# Altium PCB PicoPrint - Copy.PcbDoc (part 1 of 4) (continued)
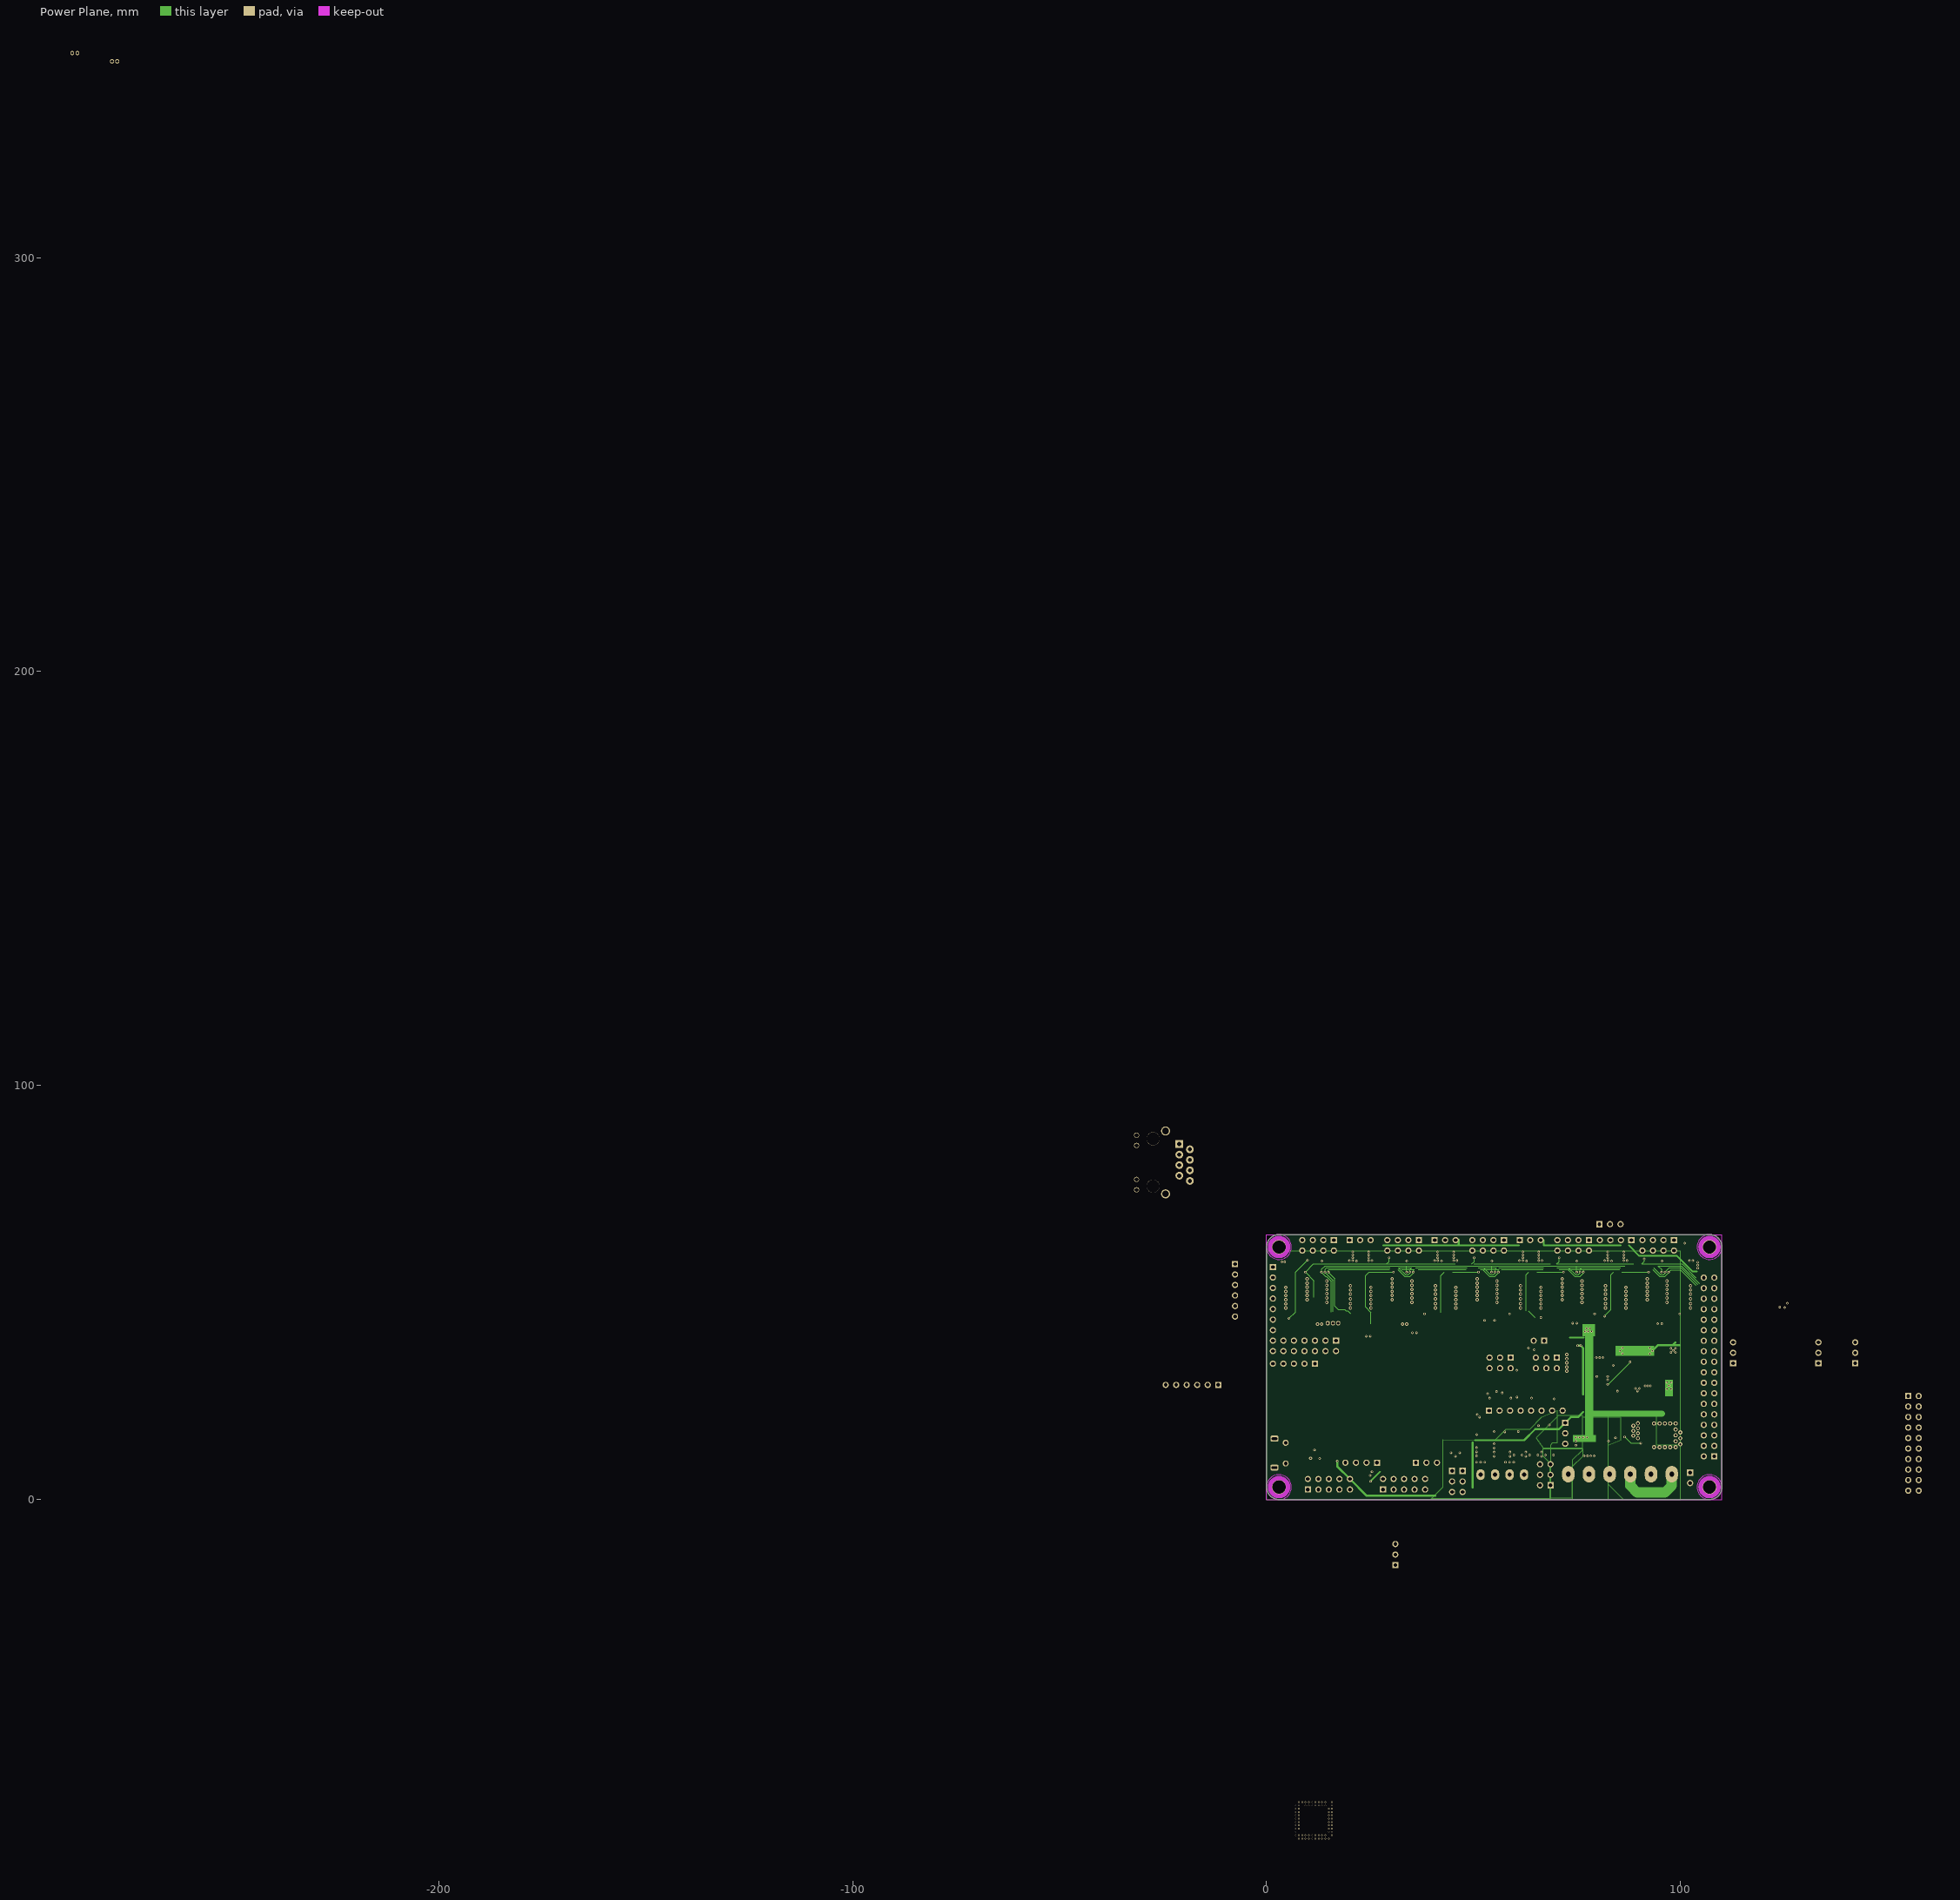
[diagram p3: Power Plane]

## Layer stack, top to bottom
Top Solder: solder mask 0.0102, Solder Resist, Dk 3.5
Component Side: signal copper 0.0356
Dielectric 1: core 0.32, FR-4, Dk 4.8
Ground Plane: signal copper 0.036
Dielectric 3: prepreg 0.127, Dk 4.2
Power Plane: signal copper 0.036
Dielectric 4: core 0.254, Dk 4.2
Solder Side: signal copper 0.0356
Bottom Solder: solder mask 0.0102, Solder Resist, Dk 3.5

## Board outline
0,3 0,61 cw(c3,61) 3,64 107,64 cw(c107,61) 110,61 110,3 cw(c107,3) 107,0 3,0 cw(c3,3)

## Design rules (kind name [scope] priority, off if disabled: settings)
Clearance [All] p1: gap=0.1
DiffPairsRouting [All] p1: maxlimit=0.5 minlimit=0.2 mostfreqgap=0.2 toplayer_minwidth=0.2 toplayer_maxwidth=0.5 toplayer_prefwidth=0.2 midlayer1_minwidth=0.2 midlayer1_maxwidth=0.5 midlayer1_prefwidth=0.2 midlayer2_minwidth=0.2 midlayer2_maxwidth=0.5 midlayer2_prefwidth=0.2 bottomlayer_minwidth=0.2 bottomlayer_maxwidth=0.5 bottomlayer_prefwidth=0.2 maxuncoupledlength=12.7
HoleSize [All] p1: absolutevalues=TRUE maxlimit=4 minlimit=0.025 maxpercent=80.000 minpercent=20.000
MatchedLengths [(InNet('USB_D_N') OR InNet('USB_D_P'))] p1: tolerance=0.75 checknetsindiffpair=TRUE checkdiffpairvsdiffpair=FALSE checkxsignals=FALSE checkothers=FALSE
MinimumSolderMaskSliver [All] p1: minsoldermaskwidth=0.2
PolygonConnect PolygonConnect_1 [HasFootprint('Res 3216-1206') Or  HasFootprint('TQFP80P1200X1200X160-44N') Or InNet('NetC20_1') Or HasFootprint('LFPACK') Or HasFootprint('HDR2X4-HEADER')] p1: connectstyle=Direct reliefconductorwidth=0.254 reliefentries=4 polygonreliefangle="90 Angle" airgapwidth=0.254
PolygonConnect PolygonConnect_2 [IsVia] p2: connectstyle=Direct reliefconductorwidth=0.254 reliefentries=4 polygonreliefangle="90 Angle" airgapwidth=0.254
PolygonConnect PolygonConnect_3 [HasFootprint('TERM2 5MM') Or HasFootprint('TERM2 3.5MM')] p3: connectstyle=Relief reliefconductorwidth=1 reliefentries=4 polygonreliefangle="90 Angle" airgapwidth=0.25
PolygonConnect [All] p4: connectstyle=Relief reliefconductorwidth=0.25 reliefentries=4 polygonreliefangle="90 Angle" airgapwidth=0.25
RoutingVias [All] p1: holewidth=0.2 width=0.4 viastyle="Through Hole" minholewidth=0.2 minwidth=0.4 maxholewidth=0.5 maxwidth=1
SilkToSilkClearance [All] p1: silktosilkclearance=0.2
SilkToSolderMaskClearance [IsPad] p1: minsilkscreentomaskgap=0.15 clearancetoexposedcopper=TRUE
SolderMaskExpansion [All] p1: expansion=0.102
Width [All] p1: maxlimit=3 minlimit=0.1 preferedwidth=0.1 minimp=50.000000 maximp=50.000000 favimp=50.000000
25 further rules are at their usual default settings.

## Classes and differential pairs
component class PicoPrint-Main: A1 BOOT1 C1 C2 C3 C4 C5 C6 C7 C8 C9 C10 C11 C12 C13 C14 C15 C16 C17 C18 C19 C20 C21 C22 C23 C24 C25 C26 C62 D1 D2 D3 D4 E-STOP ESP_PROG EXP1 EXP2 F1 F2 FAN_VDD_SEL1 FANS HB-OUT1 HB-PWR1 HE0 HE1 I2C IC2 J1 J2 J5 J6 J9 J? L1 L2 LD1 LD2 LD3 LD4 LD5 LD6 LD7 LD8 LD9 LD10 MAIN-PWR1 MH1 MH2 MH3 MH4 OSH_LOGO1 PROBE PS_ON PWR_AUX Q1 Q2 Q3 Q4 Q5 Q6 Q7 R2 R3 R5 R6 R10 R11 R12 R13 R14 R15 R16 R17 R21 R22 R23 R24 R25 R26 R27 R28 R29 R30 R31 R32 R33 R34 R35 R36 R37 R38 R41 R42 R43 R44 R45 R46 R49 R50 R51 R52 R53 R54 R55 R56 R57 R58 R59 R60 R61 R62 R63 R64 R65 S1 SD_BREAKOUT SWD THERM_HEADER U1 U2 U3 U4 U5 X-STOP XT1 Y-STOP Z-STOP
component class PicoPrint-Motors: C27 C28 C29 C30 C31 C32 C33 C34 C35 C36 C37 C38 C39 C40 C41 C42 C43 C44 C45 C46 C47 C48 C49 C50 C51 C52 C53 C54 C55 C56 C57 C58 C59 C60 E0-AUX E0-MOTOR E1-AUX E1-MOTOR R66 R67 R68 R69 R70 R71 R72 R73 R74 R75 R76 R77 R78 R79 R80 R81 R82 R83 R84 R85 U6 U7 U8 U9 U10 X-MOTOR Y-AUX Y-MOTOR Z-AUX Z-MOTOR
differential pair USB_D: +USB_D_P -USB_D_N
differential pair USB: +USB_P -USB_N

## Components (designator, comment, footprint, x,y, rotation, side; value= is the part's Value field where it differs from the comment)
A1 "ESP8266 ESP-12-E" "ESP8266 ESP-12-E-SMD" 1.549,87.554 r270 top
BOOT1 "Header 2" HDR1X2-HEADER 67.054,38.357 r180 top
C1 "CapC-0402-4.7uF-10V" "CAP 1005-0402" 20.32,24.13 r270 top
C2 "CapC-0402-4.7uF-10V" "CAP 1005-0402" 17.272,16.002 r90 top
C3 "CapC-0402-4.7uF-10V" "CAP 1005-0402" 25.558,40.026 r0 top
C4 "CapC-0805-10uF 6.3V" CAPC2012X135N 12.192,14.986 r180 top
C5 "CapC-0402-100nF" "CAP 1005-0402" 61.1,31.838 r90 top
C6 "CapC-0402-100nF" "CAP 1005-0402" 8.5,14.5 r0 top
C7 "CapC-0402-4.7uF-10V" "CAP 1005-0402" 50.6,26.2 r90 top
C8 "CapC-0402-100nF" "CAP 1005-0402" 49.6,27 r90 top
C9 "CapC-0402-4.7uF-10V" "CAP 1005-0402" 35.74,40.87 r180 top
C10 "CapC-0402-100nF" "CAP 1005-0402" 35.74,39.72 r180 top
C11 "CapC-0402-100nF" "CAP 1005-0402" 111.899,26.3 r90 top
C12 "CapC-0402-100nF" "CAP 1005-0402" 18.542,16.002 r270 top
C13 "CapC-0402-100nF" "CAP 1005-0402" 24.558,38.864 r180 top
C14 "CapC-0402-100nF" "CAP 1005-0402" 48.21,19.82 r90 top
C15 "CapC-0402-4.7uF-10V" "CAP 1005-0402" 56.974,24.003 r90 top
C16 "CapC-0402-4.7uF-10V" "CAP 1005-0402" 61.991,24.003 r90 top
C17 "CapC-0603-1uF 50V" "Cap 1608-0603" 88.9,12.5 r0 top
C18 "CapC-0402-4.7uF-10V" "CAP 1005-0402" 67.071,24.003 r90 top
C19 "CapC-0402-4.7uF-10V" "CAP 1005-0402" 72.214,24.003 r90 top
C20 "CapC-0402-100nF" "CAP 1005-0402" 82.4,26.364 r270 top
C21 "CapE-6.3-100uF-35V" "CAP EL PANASONIC" 96.281,36.345 r180 top
C22 "CapC-1210-4.7uF-50V" "CAP 3225-1210" 92.082,27.455 r90 top
C23 "CapC-0805-4.7uF 10V" CAPC2012X135N 84.636,34.376 r90 top
C24 "CapC-0805-4.7uF 10V" CAPC2012X135N 82.837,34.376 r90 top
C25 "CapC-0402-4.7uF-10V" "CAP 1005-0402" 80.3,29.114 r180 top
C26 "CapE-5.0-100uF-6.3V" "CAP EL 5mm" 83,39 r90 top
C27 "CapC-0402-100nF" "CAP 1005-0402" 12.827,43.243 r0 top
C28 "CapC-0402-100nF" "CAP 1005-0402" 33.369,43.243 r0 top
C29 "CapC-0402-100nF" "CAP 1005-0402" 53.911,43.243 r0 top
C30 "CapC-0603-1uF 50V" "Cap 1608-0603" 10.1,42 r180 top
C31 "CapE-6.3-100uF-35V" "CAP EL PANASONIC" 22.717,51.851 r180 top
C32 "CapC-0603-1uF 50V" "Cap 1608-0603" 30.7,42 r180 top
C33 "CapE-6.3-100uF-35V" "CAP EL PANASONIC" 43.259,51.851 r180 top
C34 "CapC-0603-1uF 50V" "Cap 1608-0603" 51.2,42 r180 top
C35 "CapC-0402-100nF-50V" "CAP 1005-0402" 9.652,43.243 r0 top
C36 "CapC-0402-100nF-50V" "CAP 1005-0402" 30.194,43.243 r0 top
C37 "CapC-0402-100nF-50V" "CAP 1005-0402" 50.736,43.243 r0 top
C38 "CapC-0402-470nF" "CAP 1005-0402" 15.113,57.911 r0 top
C39 "CapC-0402-470nF" "CAP 1005-0402" 35.655,57.911 r0 top
C40 "CapC-0402-470nF" "CAP 1005-0402" 56.197,57.911 r0 top
C41 "CapC-0402-100nF" "CAP 1005-0402" 19.367,59.181 r180 top
C42 "CapC-0402-100nF" "CAP 1005-0402" 39.909,59.181 r180 top
C43 "CapC-0402-100nF" "CAP 1005-0402" 60.451,59.181 r180 top
C44 "CapC-0402-100nF" "CAP 1005-0402" 5.715,57.848 r0 top
C45 "CapC-0402-100nF" "CAP 1005-0402" 26.13,59.181 r0 top
C46 "CapC-0402-100nF" "CAP 1005-0402" 46.672,59.181 r0 top
C47 "CapC-0402-100nF" "CAP 1005-0402" 74.453,43.243 r0 top
C48 "CapC-0402-100nF" "CAP 1005-0402" 94.995,43.243 r0 top
C49 "CapC-0603-1uF 50V" "Cap 1608-0603" 71.8,42 r180 top
C50 "CapE-6.3-100uF-35V" "CAP EL PANASONIC" 63.801,51.851 r180 top
C51 "CapC-0603-1uF 50V" "Cap 1608-0603" 92.3,42 r180 top
C52 "CapE-6.3-100uF-35V" "CAP EL PANASONIC" 84,51.851 r180 top
C53 "CapC-0402-100nF-50V" "CAP 1005-0402" 71.278,43.243 r0 top
C54 "CapC-0402-100nF-50V" "CAP 1005-0402" 91.82,43.243 r0 top
C55 "CapC-0402-470nF" "CAP 1005-0402" 76.739,57.911 r0 top
C56 "CapC-0402-470nF" "CAP 1005-0402" 97.281,57.911 r0 top
C57 "CapC-0402-100nF" "CAP 1005-0402" 80.993,59.181 r180 top
C58 "CapC-0402-100nF" "CAP 1005-0402" 100.71,60.388 r270 top
C59 "CapC-0402-100nF" "CAP 1005-0402" 67.214,59.181 r0 top
C60 "CapC-0402-100nF" "CAP 1005-0402" 87.756,59.181 r0 top
C62 "CapC-0805-10uF 6.3V" CAPC2012X135N 45.6,12.2 r270 top
D1 "Diode Schottky 700mA 20V" SC-85 12.8,9.2 r270 top
D2 "Diode Schottky 2A 40V" DIOM2616X08N 95.201,27.328 r270 top
D3 "Diode Zener 10V" SOD523 80.5,13.1 r270 top
D4 "Diode Schottky 2A 40V" DIOM2616X08N 84.152,31.074 r180 top
Designator1 "Comment" STM-LQFP144_N 34.45,26.25 r0 top
Designator14 "Comment" STM-UFBGA176+25 7.7,-54.3 r90 top
Designator15 "Comment" STM-TFBGA216 11.4,-77.5 r90 top
Designator21 "Comment" HDR2X17-HEADER 108.153,10.41 r90 top
Designator23 "Comment" HEADER-1x2-50mil 15,40.8 r180 top
Designator25 "Comment" HEADER-1x2-50mil 24.6,38.8 r180 top
Designator28 "Comment" HEADER-1x3-50mil 16.03,42.6 r0 top
Designator29 "Comment" HDR1X3-HEADER 47.346,6.9 r270 top
Designator30 "Comment" HDR1X5-HEADER 11.684,32.79 r180 top
Designator30 "Comment" HDR1X3-HEADER 44.806,6.9 r270 top
Designator31 "Comment" HDR2X7 16.764,38.378 r180 top
Designator32 "Comment" HDR1X7-HEADER 1.524,56.158 r270 top
Designator33 "Comment" MAGJACK -38.532,89.027 r270 top
Designator34 "Comment" HDR1X3-HEADER 36.068,8.89 r0 top
Designator35 "Comment" HDR2X10-HEADER 155,25 r270 top
E0-AUX "Header 3" HDR1X3-HEADER 31.1,-15.84 r90 top
E0-MOTOR "Header 4X2" HDR2X4-HEADER 77.872,62.668 r180 top
E1-AUX "Header 3" HDR1X3-HEADER 112.699,32.9 r90 top
E1-MOTOR "Header 4X2" HDR2X4-HEADER 98.414,62.668 r180 top
E-STOP "Header 3" HDR1X3-HEADER 80.42,66.5 r0 top
ESP_PROG "Header 6" HDR1X6-HEADER -11.684,27.686 r180 top
EXP1 "Header 5X2" "HDR2X5_exp Iner only\" 5.969,0.108 r0 top locked
EXP2 "Header 5X2" "HDR2X5_exp Iner only\" 24.13,0.108 r0 top locked
F1 "PTC Resettable Fuse" "PTC Fuse1608-0603" 102.24,60.53 r90 top
F2 "PTC Resettable Fuse" "PTC Fuse1608-0603" 15.1,9.95 r270 top
FAN_VDD_SEL1 "Header 3" HDR1X3-HEADER 72.151,18.542 r270 top
FANS "FAN0" HDR2X3-Header 68.595,3.429 r90 top
HB-OUT1 "Screw Terminal 5mm 2-Way" "TERM2 5MM" 92.873,6.1 r0 top
HB-PWR1 "Screw Terminal 5mm 2-Way" "TERM2 5MM" 82.873,6.1 r0 top
HE0 "Screw Terminal 3.5mm 2-Way" "TERM2 3.5mm" 55.205,6 r180 top
HE1 "Screw Terminal 3.5mm 2-Way" "TERM2 3.5mm" 62.205,6 r180 top
I2C "Header 4" HDR1X4-HEADER 26.67,8.89 r180 top
J1 "Jumper" JUMPER-3-NO 24.2,4.418 r270 bottom
J2 "Jumper" JUMPER-3-NO-BIG 70.32,15.92 r270 bottom
J6 "Micro-USB B Socket" "Micro-USB B Molex 105017-0001" 4.6,11.2 r270 top
J9 "Jumper" JUMPER-3-NO 123.938,47.292 r0 bottom
L1 "Ferrite Bead SMD 0805" "Res 2012-0805" 8.3,8.8 r180 top
L2 "Inductor SMD 33uH 2.5A" "SRN6045TA SMD Inductor" 89.296,33.741 r180 top
LD1 "GREEN" "LED 1608-0603" 53.101,17.018 r0 top
LD2 "GREEN" "LED 1608-0603" 60.721,17.018 r0 top
LD3 "GREEN" "LED 1608-0603" 56.911,17.018 r0 top
LD4 "GREEN" "LED 1608-0603" 64.531,17.018 r0 top
LD5 "GREEN" "LED 1608-0603" 85.6,18.15 r0 top
LD6 "GREEN" "LED 1608-0603" 68.341,17.018 r0 top
LD7 "GREEN" "LED 1608-0603" 78.971,16.58 r0 top
LD8 "GREEN" "LED 1608-0603" 78.971,17.98 r0 top
LD9 "GREEN" "LED 1608-0603" 78.971,19.38 r0 top
LD10 "YELLOW" "LED 1608-0603" 47.561,37.388 r0 top
MAIN-PWR1 "Screw Terminal 5mm 2-Way" "TERM2 5MM" 72.873,6.1 r0 top
MH1 "Screw Hole" M3-Hole-2 3,61 r90 top
MH2 "Screw Hole" M3-Hole-2 107,61 r0 top
MH3 "Screw Hole" M3-Hole-2 3,3 r180 top
MH4 "Screw Hole" M3-Hole-2 107,3 r270 top
OSH_LOGO1 "OSH_LOGO" OSHW-LOGO-S 93.45,49.75 r180 bottom
PROBE "Header 4" HDR1X4-HEADER 88.132,62.668 r180 top
PS_ON "Header 2" HDR1X2-HEADER 102.3,6.5 r270 top
PWR_AUX "Header 3X2" HDR2X3-Header 70.119,34.266 r180 top
Q1 "MOSFET - AO3400A" "SOT23-3 New" 53.101,11.938 r270 top
Q2 "MOSFET - AO3400A" "SOT23-3 New" 60.721,11.938 r270 top
Q3 "MOSFET - AO3400A" "SOT23-3 New" 56.911,11.938 r270 top
Q4 "MOSFET - AO3400A" "SOT23-3 New" 64.531,11.938 r270 top
Q5 "PSMN1R8-40YLC" LFPACK 91.5,17.405 r270 top
Q6 "MOSFET - AO3400A" "SOT23-3 New" 68.341,11.938 r270 top
Q7 "SIA453EDJ-T1-GE3" "PowerPAK SC-70" 77.8,13.2 r90 top
R1 "Res-0402-47K" RESC1005X40N 17.272,26.924 r90 top
R2 "Res-0402-47K" RESC1005X40N 18.542,26.924 r90 top
R3 "Res-0402-10K" RESC1005X40N 18.542,24.13 r270 top
R4 "Res-0402-1K" RESC1005X40N 17.272,21.328 r270 top
R5 "Res-0402-2K2" RESC1005X40N 19.304,11.176 r180 top
R6 "Res-0402-2K2" RESC1005X40N 23.876,11.176 r180 top
R10 "Res-0402-100R" RESC1005X40N 21.582,11.176 r180 top
R11 "Res-0402-100R" RESC1005X40N 26.17,11.176 r180 top
R12 "Res-0402-10K" RESC1005X40N 22.268,38.896 r180 top
R13 "Res-0402-10K" RESC1005X40N 18.542,18.534 r270 top
R14 "Res-0402-10K" RESC1005X40N 17.272,18.534 r270 top
R15 "Res-0402-10K" RESC1005X40N 18.542,21.328 r270 top
R16 "Res-0402-1K" RESC1005X40N 17.272,29.71 r270 top
R17 "Res-0402-1K" RESC1005X40N 18.542,29.71 r270 top
R21 "Res-0402-10R" RESC1005X40N 54.371,15.113 r270 top
R22 "Res-0402-10K" RESC1005X40N 17.272,24.13 r270 top
R23 "Res-0402-10K" RESC1005X40N 20.32,26.67 r90 top
R24 "Res-0402-1K" RESC1005X40N 51.831,15.113 r270 top
R25 "Res-0402-100K" RESC1005X40N 53.101,15.113 r270 top
R26 "Res-0402-10R" RESC1005X40N 61.991,15.113 r270 top
R27 "Res-0402-10K" RESC1005X40N 61.1,34.138 r90 top
R28 "Res-0402-1K" RESC1005X40N 59.451,15.113 r270 top
R29 "Res-0402-100K" RESC1005X40N 60.721,15.113 r270 top
R30 "Res-0402-10K" RESC1005X40N 62.228,38.413 r90 top
R31 "Res-0402-10R" RESC1005X40N 58.181,15.113 r270 top
R32 "Res-0402-1K" RESC1005X40N 55.641,15.113 r270 top
R33 "Res-0402-100K" RESC1005X40N 56.911,15.113 r270 top
R34 "Res-0402-10R" RESC1005X40N 65.801,15.113 r270 top
R35 "Res-0402-22R" RESC1005X40N 12.1,12.8 r0 top
R36 "Res-0402-1K" RESC1005X40N 63.261,15.113 r270 top
R37 "Res-0402-100K" RESC1005X40N 64.531,15.113 r270 top
R38 "Res-0402-22R" RESC1005X40N 12.1,11.1 r0 top
R41 "Res-0402-10R" RESC1005X40N 86.865,16.31 r270 top
R42 "Res-0402-10R" RESC1005X40N 69.611,15.113 r270 top
R43 "Res-0402-1K" RESC1005X40N 84.325,16.31 r270 top
R44 "Res-0402-1K" RESC1005X40N 67.071,15.113 r270 top
R45 "Res-0402-100K" RESC1005X40N 68.341,15.113 r270 top
R46 "Res-0402-100K" RESC1005X40N 85.595,16.31 r90 top
R49 "Res-0402-4K7" RESC1005X40N 53.038,24.003 r90 top
R50 "Res-0402-4K7" RESC1005X40N 58.181,24.003 r90 top
R51 "Res-0402-1K" RESC1005X40N 21.7,59 r90 top
R52 "Res-0402-EMPTY" RESC1005X40N 83.2,13.05 r270 top
R53 "Res-0402-1K" RESC1005X40N 42.25,59 r90 top
R54 "Res-0402-1K" RESC1005X40N 62.8,59 r90 top
R55 "Res-0402-4K7" RESC1005X40N 63.197,24.003 r90 top
R56 "Res-0402-4K7" RESC1005X40N 68.341,24.003 r90 top
R57 "Res-0402-1K" RESC1005X40N 83.342,59 r90 top
R58 "Res-0402-1K" RESC1005X40N 76.321,16.58 r180 top
R59 "Res-0402-1K" RESC1005X40N 76.321,17.98 r180 top
R60 "Res-0402-1K" RESC1005X40N 76.321,19.38 r180 top
R61 "Res-0402-1K" RESC1005X40N 47.561,36.088 r180 top
R62 "Res-0402-1K" RESC1005X40N 89.669,28.217 r270 top
R63 "Res-0402-54.9K" RESC1005X40N 83.793,28.634 r90 top
R64 "Res-0402-100K" RESC1005X40N 82,13.05 r270 top
R65 "Res-0402-10K" RESC1005X40N 83.793,26.398 r90 top
R66 "Res-0402-22R" RESC1005X40N 17.59,57.912 r0 top
R67 "Res-1206-0R05" "Res 3216-1206" 20.256,54.99 r270 top
R68 "Res-0402-22R" RESC1005X40N 38.131,57.911 r0 top
R69 "Res-1206-0R05" "Res 3216-1206" 40.798,54.99 r270 top
R70 "Res-0402-22R" RESC1005X40N 58.674,57.912 r0 top
R71 "Res-1206-0R05" "Res 3216-1206" 61.34,54.99 r270 top
R72 "Res-0402-22R" RESC1005X40N 8.128,57.848 r180 top
R73 "Res-1206-0R05" "Res 3216-1206" 4.572,54.8 r270 top
R74 "Res-0402-22R" RESC1005X40N 27.908,57.911 r180 top
R75 "Res-1206-0R05" "Res 3216-1206" 25.177,54.99 r270 top
R76 "Res-0402-22R" RESC1005X40N 48.45,57.911 r180 top
R77 "Res-1206-0R05" "Res 3216-1206" 45.719,54.99 r270 top
R78 "Res-0402-22R" RESC1005X40N 79.215,57.911 r0 top
R79 "Res-1206-0R05" "Res 3216-1206" 81.882,54.99 r270 top
R80 "Res-0402-22R" RESC1005X40N 99.758,57.912 r0 top
R81 "Res-1206-0R05" "Res 3216-1206" 102.424,54.99 r270 top
R82 "Res-0402-22R" RESC1005X40N 68.992,57.911 r180 top
R83 "Res-1206-0R05" "Res 3216-1206" 66.261,54.99 r270 top
R84 "Res-0402-22R" RESC1005X40N 89.534,57.911 r180 top
R85 "Res-1206-0R05" "Res 3216-1206" 86.803,54.99 r270 top
S1 "Reset" "SW-PB SMD 2pin" 56.388,38.862 r180 top
SD_BREAKOUT "Header 6" HDR1X6-HEADER -7.62,56.896 r270 top
SWD "Header 3X2" HDR2X3-Header 58.943,34.266 r180 top
THERM_HEADER "T0" HDR1X8-HEADER 53.736,21.463 r0 top locked
U1 "MICROSD" MICRO-SD 9.37,24.003 r90 top
U2 "STM32F446VET6" STM-LQFP100_N -14,5 r180 top
U3 "USBLC6 USB ESD Protection" SOT23-6N 8.425,11.95 r0 top
U4 "AOZ1282CI" SOT23-6N 86.875,27.705 r90 top
U5 "AP2114H-3.3TRG1" SOT229P700X180-4N 77.421,33.36 r180 top
U6 "TMC2660" TQFP80P1200X1200X160-44N 12.446,50.545 r180 top locked
U7 "TMC2660" TQFP80P1200X1200X160-44N 32.988,50.545 r180 top
U8 "TMC2660" TQFP80P1200X1200X160-44N 53.53,50.545 r180 top
U9 "TMC2660" TQFP80P1200X1200X160-44N 74.072,50.545 r180 top locked
U10 "TMC2660" TQFP80P1200X1200X160-44N 94.614,50.545 r180 top locked
X-MOTOR "Header 4X2" HDR2X4-HEADER 16.246,62.668 r180 top
X-STOP "Header 3" HDR1X3-HEADER 20.056,62.668 r0 top
XT1 "Ceramic Resonator CSTCE12M0G55-R0" "CERALOCK CSTCE_G" 49.19,22.7 r270 top
Y-AUX "Header 3" HDR1X3-HEADER 142.199,32.9 r90 top
Y-MOTOR "Header 4X2" HDR2X4-HEADER 36.788,62.668 r180 top
Y-STOP "Header 3" HDR1X3-HEADER 40.598,62.668 r0 top
Z-AUX "Header 3" HDR1X3-HEADER 133.299,32.9 r90 top
Z-MOTOR "Header 4X2" HDR2X4-HEADER 57.33,62.668 r180 top
Z-STOP "Header 3" HDR1X3-HEADER 61.14,62.668 r0 top
